# Altium PCB Shuttler_AMC.PcbDoc (part 12 of 12)
Units mm, origin at the board's own origin, x right, y up, seen from the top; angles counter-clockwise.
Board outline 180.71 x 148.55 mm, 12 copper layers (Layer 1, Layer 2, Layer 3, Layer 4, Layer 5, Layer 6, Layer 7, Layer 8, Layer 9, Layer 10, Layer 11, Layer 12), stack 2.14 mm thick; 1184 components, 1698 nets, 9088 pads, 920 vias.
Unrouted connection lines stored in the file: 1441.
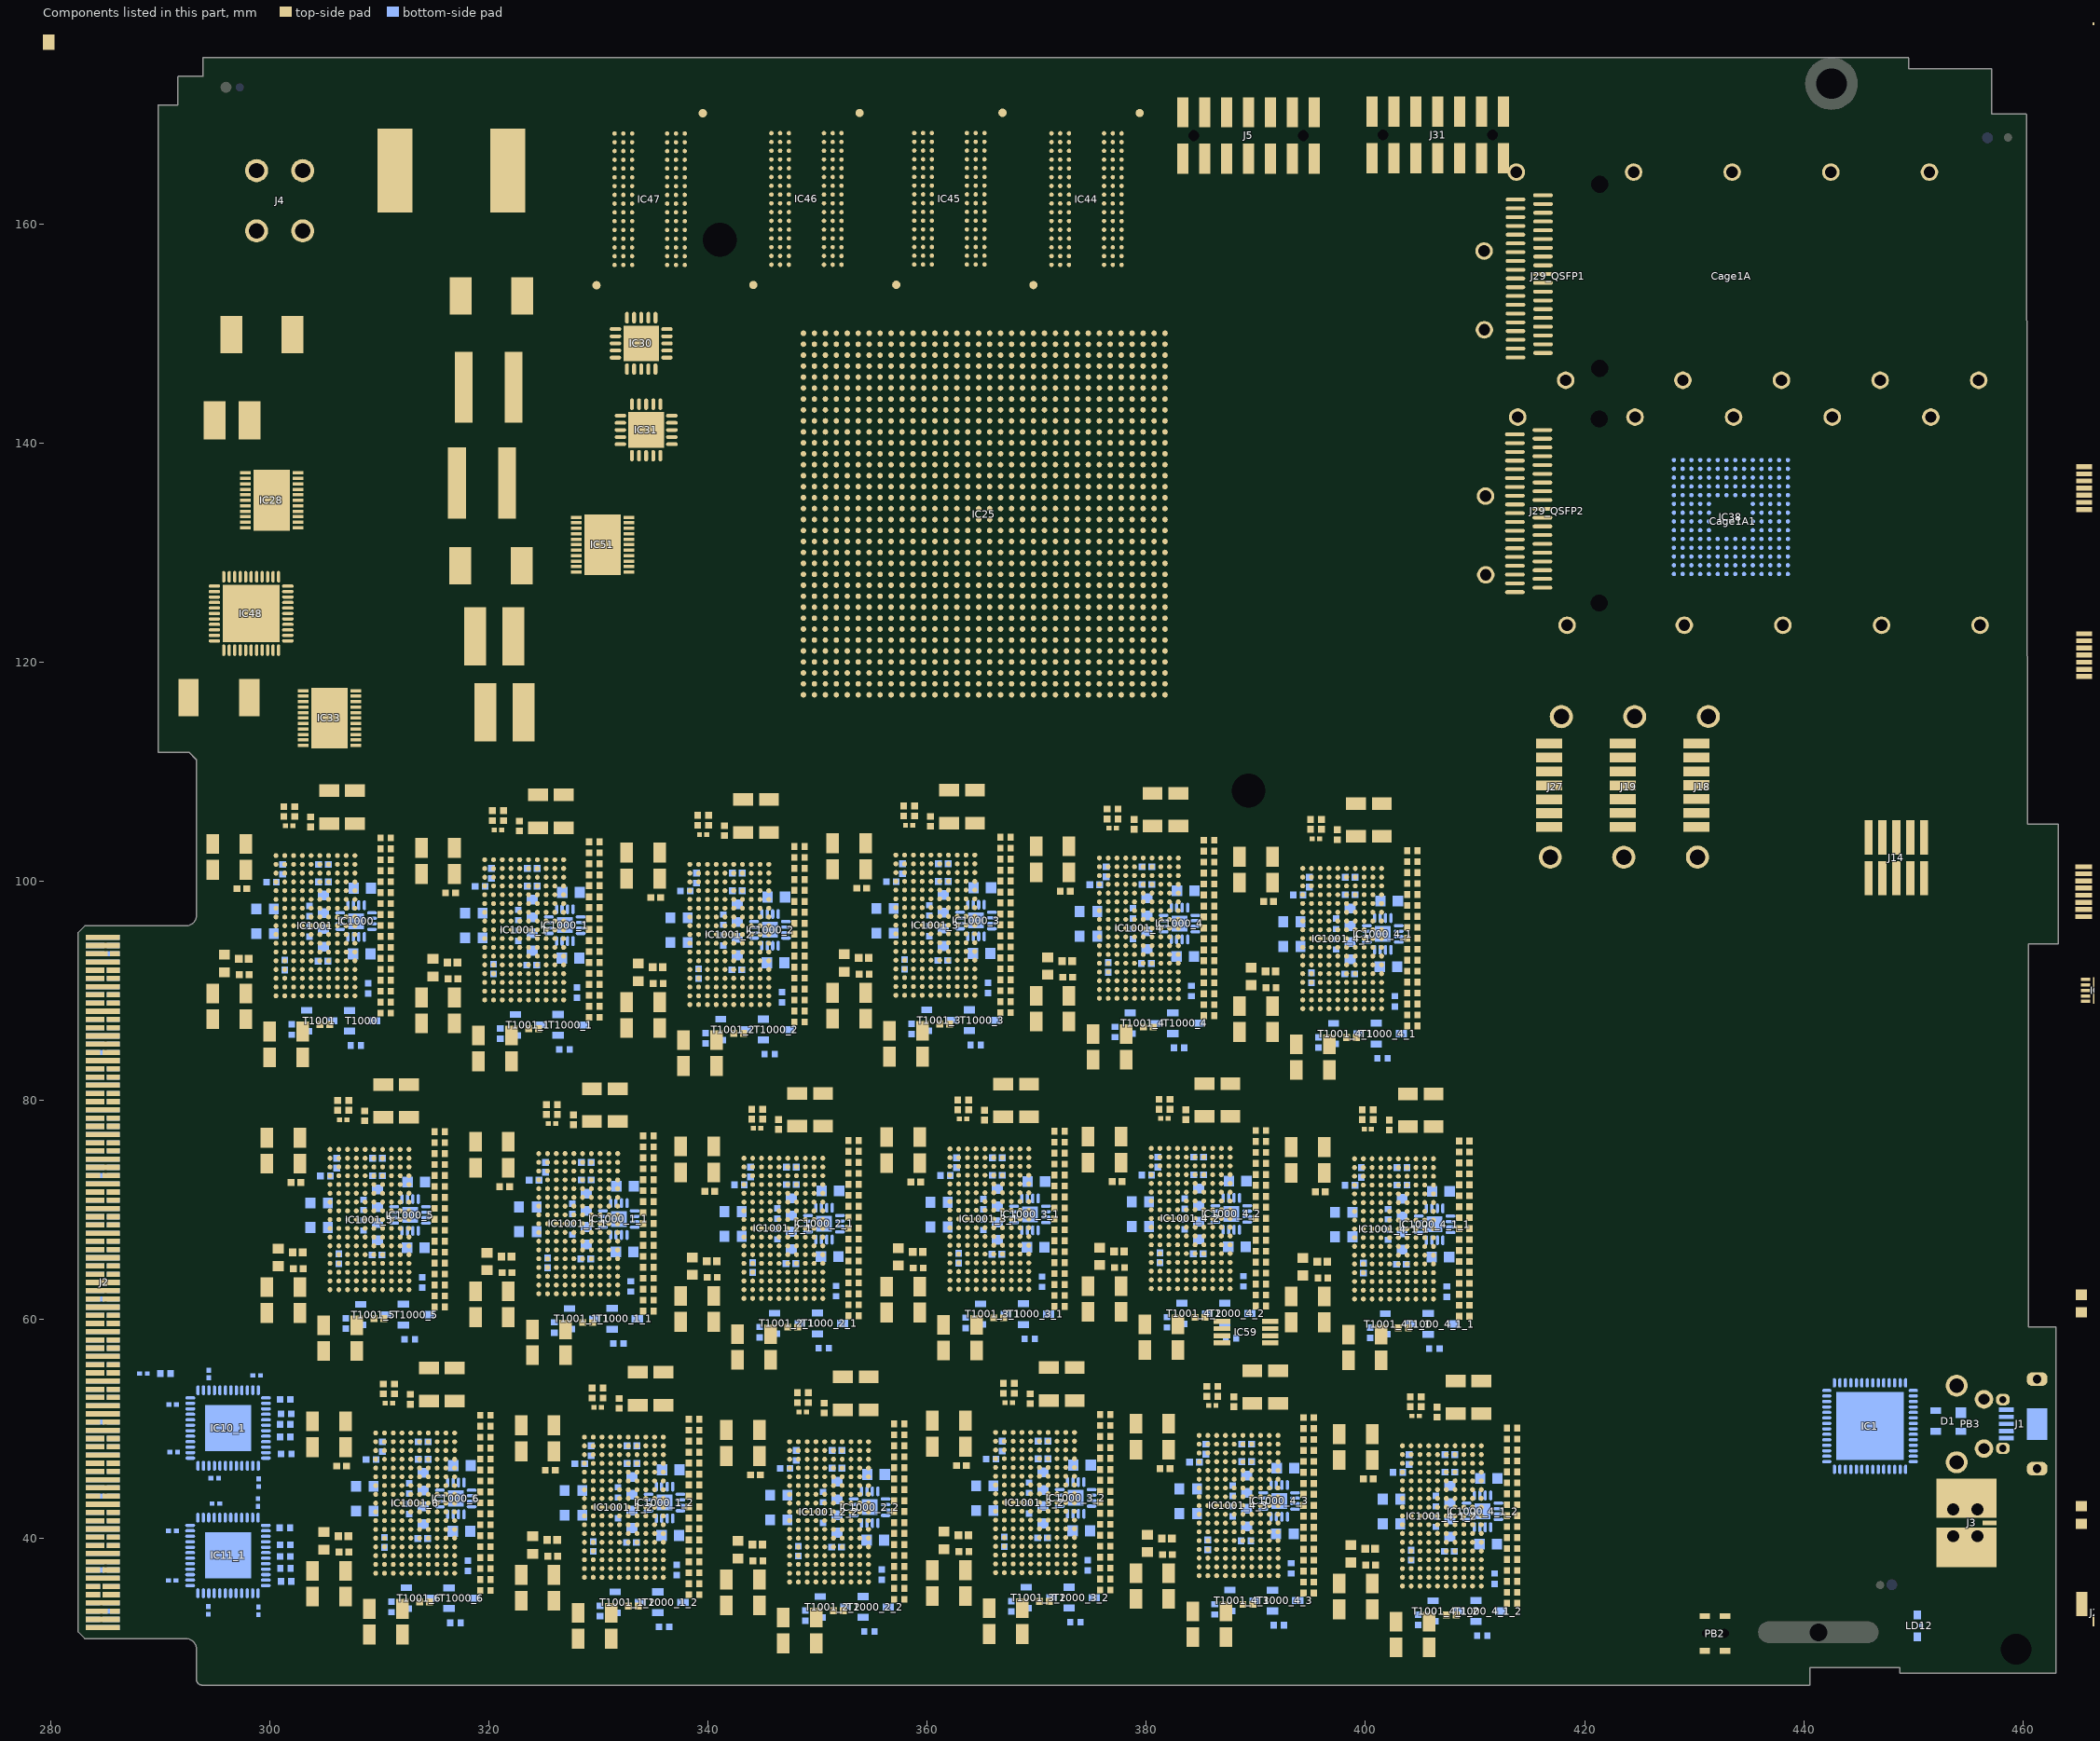
[diagram p18: the components of this part, seen from the top]

## Via types
v1: diameter 0.356, hole 0.155, Layer 1 to Layer 12, 431 vias
v2: diameter 0.3, hole 0.1, Layer 1 to Layer 12, 429 vias
v3: diameter 0.6, hole 0.3, Layer 1 to Layer 12, 38 vias
v4: diameter 0.406, hole 0.203, Layer 1 to Layer 12, 22 vias

## Nets (pads, with @x,y where several pads share a name; then routed paths per layer and width w, separated by ;. In a path a pad name is that pad's centre, name@x,y a point inside that pad or via, vN(x,y) a via of type N, cw(c..) or ccw(c..) an arc to the next point about the centre after c; other vN are vias at no path point) (continued)
copper on no net: (continued)
  Layer 12 w0.178: v2(300.113,96.35) 300.375,96.613 300.375,97.472 301.556,97.472 302.201,96.827 303.625,96.827 ; v2(300.969,96.35) 300.946,96.327 300.78,96.327 300.375,95.922 300.375,95.222 301.55,95.222 302.22,95.892 303.625,95.892 ; v2(305.044,69.528) 305.306,69.791 305.306,70.65 306.487,70.65 307.132,70.005 308.556,70.005 ; v2(305.9,69.528) 305.877,69.505 305.711,69.505 305.306,69.1 305.306,68.4 306.481,68.4 307.151,69.07 308.556,69.07 ; v2(309.213,43.65) 309.475,43.913 309.475,44.772 310.656,44.772 311.301,44.127 312.725,44.127 ; v2(310.069,43.65) 310.046,43.627 309.88,43.627 309.475,43.222 309.475,42.522 310.65,42.522 311.32,43.192 312.725,43.192 ; v2(319.163,95.975) 319.425,96.238 319.425,97.097 320.606,97.097 321.251,96.452 322.675,96.452 ; v2(320.019,95.975) 319.996,95.952 319.83,95.952 319.425,95.547 319.425,94.847 320.6,94.847 321.27,95.517 322.675,95.517 ; v2(324.094,69.153) 324.356,69.416 324.356,70.275 325.537,70.275 326.182,69.63 327.606,69.63 ; v2(324.95,69.153) 324.927,69.13 324.761,69.13 324.356,68.725 324.356,68.025 325.531,68.025 326.201,68.695 327.606,68.695 ; v2(328.263,43.275) 328.525,43.538 328.525,44.397 329.706,44.397 330.351,43.752 331.775,43.752 ; v2(329.119,43.275) 329.096,43.252 328.93,43.252 328.525,42.847 328.525,42.147 329.7,42.147 330.37,42.817 331.775,42.817 ; v2(337.888,95.55) 338.15,95.813 338.15,96.672 339.331,96.672 339.976,96.027 341.4,96.027 ; v2(338.744,95.55) 338.721,95.527 338.555,95.527 338.15,95.122 338.15,94.422 339.325,94.422 339.995,95.092 341.4,95.092 ; v2(342.819,68.728) 343.081,68.991 343.081,69.85 344.262,69.85 344.907,69.205 346.331,69.205 ; v2(343.675,68.728) 343.652,68.705 343.486,68.705 343.081,68.3 343.081,67.6 344.256,67.6 344.926,68.27 346.331,68.27 ; v2(346.988,42.85) 347.25,43.113 347.25,43.972 348.431,43.972 349.076,43.327 350.5,43.327 ; v2(347.844,42.85) 347.821,42.827 347.655,42.827 347.25,42.422 347.25,41.722 348.425,41.722 349.095,42.392 350.5,42.392 ; v2(356.688,96.4) 356.95,96.663 356.95,97.522 358.131,97.522 358.776,96.877 360.2,96.877 ; v2(357.544,96.4) 357.521,96.377 357.355,96.377 356.95,95.972 356.95,95.272 358.125,95.272 358.795,95.942 360.2,95.942 ; v2(361.619,69.578) 361.881,69.841 361.881,70.7 363.062,70.7 363.707,70.055 365.131,70.055 ; v2(362.475,69.578) 362.452,69.555 362.286,69.555 361.881,69.15 361.881,68.45 363.056,68.45 363.726,69.12 365.131,69.12 ; v2(365.788,43.7) 366.05,43.963 366.05,44.822 367.231,44.822 367.876,44.177 369.3,44.177 ; v2(366.644,43.7) 366.621,43.677 366.455,43.677 366.05,43.272 366.05,42.572 367.225,42.572 367.895,43.242 369.3,43.242 ; v2(375.263,96.125) 375.525,96.388 375.525,97.247 376.706,97.247 377.351,96.602 378.775,96.602 ; v2(376.119,96.125) 376.096,96.102 375.93,96.102 375.525,95.697 375.525,94.997 376.7,94.997 377.37,95.667 378.775,95.667 ; v2(379.994,69.625) 380.256,69.888 380.256,70.747 381.437,70.747 382.082,70.102 383.506,70.102 ; v2(380.85,69.625) 380.827,69.602 380.661,69.602 380.256,69.197 380.256,68.497 381.431,68.497 382.101,69.167 383.506,69.167 ; v2(384.363,43.425) 384.625,43.688 384.625,44.547 385.806,44.547 386.451,43.902 387.875,43.902 ; v2(385.219,43.425) 385.196,43.402 385.03,43.402 384.625,42.997 384.625,42.297 385.8,42.297 386.47,42.967 387.875,42.967 ; v2(393.819,95.178) 394.081,95.441 394.081,96.3 395.262,96.3 395.907,95.655 397.331,95.655 ; v2(394.675,95.178) 394.652,95.155 394.486,95.155 394.081,94.75 394.081,94.05 395.256,94.05 395.926,94.72 397.331,94.72 ; v2(398.549,68.678) 398.812,68.941 398.812,69.8 399.993,69.8 400.638,69.155 402.062,69.155 ; v2(399.406,68.678) 399.383,68.655 399.217,68.655 398.812,68.25 398.812,67.55 399.987,67.55 400.657,68.22 402.062,68.22 ; v2(402.919,42.478) 403.181,42.741 403.181,43.6 404.362,43.6 405.007,42.955 406.431,42.955 ; v2(403.775,42.478) 403.752,42.455 403.586,42.455 403.181,42.05 403.181,41.35 404.356,41.35 405.026,42.02 406.431,42.02
  Layer 12 w0.254: 284.814,31.345 287.2,31.345 ; 290.14,52.237 290.789,52.237 ; 290.166,40.7 290.191,40.725 290.767,40.725 ; 290.274,48.076 290.274,48.036 290.396,47.914 290.875,47.914 ; 290.744,36.192 290.744,36.921 ; 292.734,38.22 292.734,38.72 294.211,38.72 294.461,38.47 v3@294.48,38.47 ; 292.75,49.854 292.75,50.354 294.227,50.354 294.477,50.104 v3@294.48,50.104 ; 294.051,55.785 294.431,55.406 294.431,55.381 ; 294.393,33.098 295.115,33.098 295.242,33.225 v3(295.796,33.225) 295.796,33.979 295.934,34.117 295.934,35.02 295.934,36.497 v3@296.184,36.747 ; 294.431,54.681 294.45,54.681 ; v3(294.48,36.885) v3(294.48,38.385) v3@294.48,38.47 ; v3(294.48,40.24) 295.034,40.24 295.088,40.185 295.934,40.185 ; v3(294.48,48.385) v3(294.48,50.085) v3@294.48,50.104 ; v3(294.48,51.785) v3@294.48,50.104 ; 294.885,55.917 294.885,54.681 294.45,54.681 ; 294.95,53.554 294.45,53.554 294.45,54.681 ; v3(295.28,39.185) 295.28,38.47 ; v3(295.28,49.285) 295.28,50.104 ; v3(295.332,44.905) 295.332,45.526 295.357,45.526 295.737,45.905 295.906,45.905 295.95,45.95 295.95,46.654 295.95,48.131 296.2,48.381 v3@296.2,48.385 ; v3(295.38,37.585) 296.184,37.585 ; v3(295.38,50.985) 296.18,50.985 ; 295.423,43.202 295.448,43.202 295.934,42.716 295.934,41.92 295.934,40.185 ; v3(295.95,52.727) 295.95,53.554 ; v3(296.18,51.885) 296.18,50.985 ; v3(296.28,36.685) 296.245,36.685 v3@296.184,36.747 ; v3(296.28,40.185) 295.934,40.185 ; v3(296.28,48.385) v3@296.2,48.385 ; v3(296.98,50.885) 296.588,51.277 296.296,50.985 296.18,50.985 ; v3(297.08,49.185) 297.386,49.492 ; v3(297.18,37.585) 296.295,38.47 v3(296.184,38.47) ; v3(297.88,38.385) v3(297.08,39.185) v3@296.989,39.276 ; v3(297.98,48.385) 297.98,48.898 ; v3(297.98,51.885) 297.637,51.543 297.637,51.541 ; 298.434,41.92 298.434,41.53 ; 298.45,46.654 298.45,44.852 298.534,44.767 298.988,44.767 298.988,44.288 299.027,44.25 299.502,44.25 ; 298.452,54.909 298.452,54.357 298.45,54.355 298.45,53.554 298.45,52.374 298.173,52.097 298.173,52.077 v3@297.924,51.827 ; 298.932,43.654 298.932,43.679 299.502,44.25 ; 298.957,33.057 298.503,33.057 298.434,33.126 298.434,35.02 298.434,35.724 298.523,35.813 298.523,36.192 298.255,36.46 298.538,36.742 298.93,36.742 ; 299.508,44.25 299.502,44.25 ; 299.634,36.72 298.93,36.72 298.93,36.742 ; 299.634,38.22 298.93,38.22 298.93,36.742 ; 299.65,48.354 299.278,48.354 298.926,48.706 298.173,48.706 297.98,48.898 ; 299.65,49.854 298.946,49.854 298.681,50.118 v3(297.912,50.118) 296.789,50.118 296.775,50.104 ; 299.65,51.854 298.468,51.854 298.442,51.827 v3@297.924,51.827 ; v1(301.05,83.972) v1(301.05,86.322) 301.05,87.397 303.769,90.116 v1(303.769,91.15) ; 301.734,40.301 300.668,40.301 300.609,40.242 300.46,40.242 300.438,40.22 299.634,40.22 298.93,40.22 298.916,40.233 298.916,41.047 298.434,41.53 ; 301.869,50.444 303.362,50.444 ; 301.883,38.387 302.678,38.387 ; 303.625,94.952 304.73,94.952 304.825,95.047 304.825,95.547 ; 303.625,97.767 304.73,97.767 304.825,97.672 304.825,97.172 304.875,97.172 305.273,96.774 305.273,96.771 305.422,96.622 306.425,96.622 ; 304.9,94.047 305.875,94.047 306.425,94.597 306.425,95.622 ; 304.9,95.647 304.95,95.647 305.273,95.97 305.273,95.973 305.422,96.122 306.425,96.122 ; 304.9,98.697 305.975,98.697 306.425,98.247 306.425,97.122 ; 305.675,87.272 306.875,87.272 307.268,86.879 307.268,86.329 307.275,86.322 307.38,86.217 307.38,85.022 ; v1(305.981,57.15) v1(305.981,59.5) 305.981,60.575 308.7,63.294 v1(308.7,64.328) ; 307.125,94.922 307.125,93.872 307.6,93.397 ; 307.125,97.822 307.125,98.847 307.277,98.999 307.302,98.999 307.625,99.322 ; 307.275,88.222 307.275,87.622 308.32,86.577 308.32,85.022 ; 307.625,94.922 307.625,93.422 ; 307.625,97.822 307.625,99.322 ; 308.125,94.922 308.125,93.897 307.973,93.745 307.948,93.745 307.625,93.422 ; 308.125,97.822 308.125,98.872 307.65,99.347 307.65,99.372 ; 308.556,68.13 309.661,68.13 309.756,68.225 309.756,68.725 ; 308.556,70.945 309.661,70.945 309.756,70.85 309.756,70.35 309.806,70.35 310.204,69.952 310.204,69.949 310.353,69.8 311.356,69.8 ; 308.625,94.922 308.625,94.197 308.475,94.047 308.475,93.572 308.307,93.404 307.632,93.404 307.6,93.372 307.6,93.397 ; 308.625,97.822 308.625,98.472 308.45,98.647 308.45,99.203 308.32,99.333 307.689,99.333 307.65,99.372 ; 308.98,89.572 308.98,88.842 309.575,88.247 309.575,87.272 ; 308.98,90.692 308.98,91.802 309.2,92.022 309.2,93.372 ; 309.831,67.225 310.806,67.225 311.356,67.775 311.356,68.8 ; 309.831,68.825 309.881,68.825 310.204,69.148 310.204,69.151 310.353,69.3 311.356,69.3 ; 309.831,71.875 310.906,71.875 311.356,71.425 311.356,70.3 ; v1(310.15,31.272) v1(310.15,33.622) 310.15,34.697 312.869,37.416 v1(312.869,38.45) ; 310.606,60.45 311.806,60.45 312.199,60.057 312.199,59.507 312.206,59.5 312.311,59.395 312.311,58.2 ; 312.056,68.1 312.056,67.05 312.531,66.575 ; 312.056,71 312.056,72.025 312.208,72.177 312.233,72.177 312.556,72.5 ; 312.206,61.4 312.206,60.8 313.251,59.755 313.251,58.2 ; 312.556,68.1 312.556,66.6 ; 312.556,71 312.556,72.5 ; 312.725,42.252 313.83,42.252 313.925,42.347 313.925,42.847 ; 312.725,45.067 313.83,45.067 313.925,44.972 313.925,44.472 313.975,44.472 314.373,44.074 314.373,44.071 314.522,43.922 315.525,43.922 ; 313.056,68.1 313.056,67.075 312.904,66.923 312.879,66.923 312.556,66.6 ; 313.056,71 313.056,72.05 312.581,72.525 312.581,72.55 ; 313.556,68.1 313.556,67.375 313.406,67.225 313.406,66.75 313.238,66.582 312.563,66.582 312.531,66.55 312.531,66.575 ; 313.556,71 313.556,71.65 313.381,71.825 313.381,72.381 313.251,72.511 312.62,72.511 312.581,72.55 ; 313.911,62.75 313.911,62.02 314.506,61.425 314.506,60.45 ; 313.911,63.87 313.911,64.98 314.131,65.2 314.131,66.55 ; 314,41.347 314.975,41.347 315.525,41.897 315.525,42.922 ; 314,42.947 314.05,42.947 314.373,43.27 314.373,43.273 314.522,43.422 315.525,43.422 ; 314,45.997 315.075,45.997 315.525,45.547 315.525,44.422 ; 314.775,34.572 315.975,34.572 316.368,34.179 316.368,33.629 316.375,33.622 316.48,33.517 316.48,32.322 ; 316.225,42.222 316.225,41.172 316.7,40.697 ; 316.225,45.122 316.225,46.147 316.377,46.299 316.402,46.299 316.725,46.622 ; 316.375,35.522 316.375,34.922 317.42,33.877 317.42,32.322 ; 316.725,42.222 316.725,40.722 ; 316.725,45.122 316.725,46.622 ; 317.225,42.222 317.225,41.197 317.073,41.045 317.048,41.045 316.725,40.722 ; 317.225,45.122 317.225,46.172 316.75,46.647 316.75,46.672 ; 317.725,42.222 317.725,41.497 317.575,41.347 317.575,40.872 317.407,40.704 316.732,40.704 316.7,40.672 316.7,40.697 ; 317.725,45.122 317.725,45.772 317.55,45.947 317.55,46.503 317.42,46.633 316.789,46.633 316.75,46.672 ; 318.08,36.872 318.08,36.142 318.675,35.547 318.675,34.572 ; 318.08,37.992 318.08,39.102 318.3,39.322 318.3,40.672 ; v1(320.1,83.597) v1(320.1,85.947) 320.1,87.022 322.819,89.741 v1(322.819,90.775) ; 322.675,94.577 323.78,94.577 323.875,94.672 323.875,95.172 ; 322.675,97.392 323.78,97.392 323.875,97.297 323.875,96.797 323.925,96.797 324.323,96.399 324.323,96.396 324.472,96.247 325.475,96.247 ; 323.95,93.672 324.925,93.672 325.475,94.222 325.475,95.247 ; 323.95,95.272 324,95.272 324.323,95.595 324.323,95.598 324.472,95.747 325.475,95.747 ; 323.95,98.322 325.025,98.322 325.475,97.872 325.475,96.747 ; 324.725,86.897 325.925,86.897 326.318,86.504 326.318,85.954 326.325,85.947 326.43,85.842 326.43,84.647 ; v1(325.031,56.775) v1(325.031,59.125) 325.031,60.2 327.75,62.919 v1(327.75,63.953) ; 326.175,94.547 326.175,93.497 326.65,93.022 ; 326.175,97.447 326.175,98.472 326.327,98.624 326.352,98.624 326.675,98.947 ; 326.325,87.847 326.325,87.247 327.37,86.202 327.37,84.647 ; 326.675,94.547 326.675,93.047 ; 326.675,97.447 326.675,98.947 ; 327.175,94.547 327.175,93.522 327.023,93.37 326.998,93.37 326.675,93.047 ; 327.175,97.447 327.175,98.497 326.7,98.972 326.7,98.997 ; 327.606,67.755 328.711,67.755 328.806,67.85 328.806,68.35 ; 327.606,70.57 328.711,70.57 328.806,70.475 328.806,69.975 328.856,69.975 329.254,69.577 329.254,69.574 329.403,69.425 330.406,69.425 ; 327.675,94.547 327.675,93.822 327.525,93.672 327.525,93.197 327.357,93.029 326.682,93.029 326.65,92.997 326.65,93.022 ; 327.675,97.447 327.675,98.097 327.5,98.272 327.5,98.828 327.37,98.958 326.739,98.958 326.7,98.997 ; 328.03,89.197 328.03,88.467 328.625,87.872 328.625,86.897 ; 328.03,90.317 328.03,91.427 328.25,91.647 328.25,92.997 ; 328.881,66.85 329.856,66.85 330.406,67.4 330.406,68.425 ; 328.881,68.45 328.931,68.45 329.254,68.773 329.254,68.776 329.403,68.925 330.406,68.925 ; 328.881,71.5 329.956,71.5 330.406,71.05 330.406,69.925 ; v1(329.2,30.897) v1(329.2,33.247) 329.2,34.322 331.919,37.041 v1(331.919,38.075) ; 329.656,60.075 330.856,60.075 331.249,59.682 331.249,59.132 331.256,59.125 331.361,59.02 331.361,57.825 ; 331.106,67.725 331.106,66.675 331.581,66.2 ; 331.106,70.625 331.106,71.65 331.258,71.802 331.283,71.802 331.606,72.125 ; 331.256,61.025 331.256,60.425 332.301,59.38 332.301,57.825 ; 331.606,67.725 331.606,66.225 ; 331.606,70.625 331.606,72.125 ; 331.775,41.877 332.88,41.877 332.975,41.972 332.975,42.472 ; 331.775,44.692 332.88,44.692 332.975,44.597 332.975,44.097 333.025,44.097 333.423,43.699 333.423,43.696 333.572,43.547 334.575,43.547 ; 332.106,67.725 332.106,66.7 331.954,66.548 331.929,66.548 331.606,66.225 ; 332.106,70.625 332.106,71.675 331.631,72.15 331.631,72.175 ; 332.606,67.725 332.606,67 332.456,66.85 332.456,66.375 332.288,66.207 331.613,66.207 331.581,66.175 331.581,66.2 ; 332.606,70.625 332.606,71.275 332.431,71.45 332.431,72.006 332.301,72.136 331.67,72.136 331.631,72.175 ; 332.961,62.375 332.961,61.645 333.556,61.05 333.556,60.075 ; 332.961,63.495 332.961,64.605 333.181,64.825 333.181,66.175 ; 333.05,40.972 334.025,40.972 334.575,41.522 334.575,42.547 ; 333.05,42.572 333.1,42.572 333.423,42.895 333.423,42.898 333.572,43.047 334.575,43.047 ; 333.05,45.622 334.125,45.622 334.575,45.172 334.575,44.047 ; 333.825,34.197 335.025,34.197 335.418,33.804 335.418,33.254 335.425,33.247 335.53,33.142 335.53,31.947 ; 335.275,41.847 335.275,40.797 335.75,40.322 ; 335.275,44.747 335.275,45.772 335.427,45.924 335.452,45.924 335.775,46.247 ; 335.425,35.147 335.425,34.547 336.47,33.502 336.47,31.947 ; 335.775,41.847 335.775,40.347 ; 335.775,44.747 335.775,46.247 ; 336.275,41.847 336.275,40.822 336.123,40.67 336.098,40.67 335.775,40.347 ; 336.275,44.747 336.275,45.797 335.8,46.272 335.8,46.297 ; 336.775,41.847 336.775,41.122 336.625,40.972 336.625,40.497 336.457,40.329 335.782,40.329 335.75,40.297 335.75,40.322 ; 336.775,44.747 336.775,45.397 336.6,45.572 336.6,46.128 336.47,46.258 335.839,46.258 335.8,46.297 ; 337.13,36.497 337.13,35.767 337.725,35.172 337.725,34.197 ; 337.13,37.617 337.13,38.727 337.35,38.947 337.35,40.297 ; v1(338.825,83.172) v1(338.825,85.522) 338.825,86.597 341.544,89.316 v1(341.544,90.35) ; 341.4,94.152 342.505,94.152 342.6,94.247 342.6,94.747 ; 341.4,96.967 342.505,96.967 342.6,96.872 342.6,96.372 342.65,96.372 343.048,95.974 343.048,95.971 343.197,95.822 344.2,95.822 ; 342.675,93.247 343.65,93.247 344.2,93.797 344.2,94.822 ; 342.675,94.847 342.725,94.847 343.048,95.17 343.048,95.173 343.197,95.322 344.2,95.322 ; 342.675,97.897 343.75,97.897 344.2,97.447 344.2,96.322 ; 343.45,86.472 344.65,86.472 345.043,86.079 345.043,85.529 345.05,85.522 345.155,85.417 345.155,84.222 ; v1(343.756,56.35) v1(343.756,58.7) 343.756,59.775 346.475,62.494 v1(346.475,63.528) ; 344.9,94.122 344.9,93.072 345.375,92.597 ; 344.9,97.022 344.9,98.047 345.052,98.199 345.077,98.199 345.4,98.522 ; 345.05,87.422 345.05,86.822 346.095,85.777 346.095,84.222 ; 345.4,94.122 345.4,92.622 ; 345.4,97.022 345.4,98.522 ; 345.9,94.122 345.9,93.097 345.748,92.945 345.723,92.945 345.4,92.622 ; 345.9,97.022 345.9,98.072 345.425,98.547 345.425,98.572 ; 346.331,67.33 347.436,67.33 347.531,67.425 347.531,67.925 ; 346.331,70.145 347.436,70.145 347.531,70.05 347.531,69.55 347.581,69.55 347.979,69.152 347.979,69.149 348.128,69 349.131,69 ; 346.4,94.122 346.4,93.397 346.25,93.247 346.25,92.772 346.082,92.604 345.407,92.604 345.375,92.572 345.375,92.597 ; 346.4,97.022 346.4,97.672 346.225,97.847 346.225,98.403 346.095,98.533 345.464,98.533 345.425,98.572 ; 346.755,88.772 346.755,88.042 347.35,87.447 347.35,86.472 ; 346.755,89.892 346.755,91.002 346.975,91.222 346.975,92.572 ; 347.606,66.425 348.581,66.425 349.131,66.975 349.131,68 ; 347.606,68.025 347.656,68.025 347.979,68.348 347.979,68.351 348.128,68.5 349.131,68.5 ; 347.606,71.075 348.681,71.075 349.131,70.625 349.131,69.5 ; 347.925,30.472 v1(347.925,32.822) 347.925,33.897 350.644,36.616 v1(350.644,37.65) ; 348.381,59.65 349.581,59.65 349.974,59.257 349.974,58.707 349.981,58.7 350.086,58.595 350.086,57.4 ; 349.831,67.3 349.831,66.25 350.306,65.775 ; 349.831,70.2 349.831,71.225 349.983,71.377 350.008,71.377 350.331,71.7 ; 349.981,60.6 349.981,60 351.026,58.955 351.026,57.4 ; 350.331,67.3 350.331,65.8 ; 350.331,70.2 350.331,71.7 ; 350.5,41.452 351.605,41.452 351.7,41.547 351.7,42.047 ; 350.5,44.267 351.605,44.267 351.7,44.172 351.7,43.672 351.75,43.672 352.148,43.274 352.148,43.271 352.297,43.122 353.3,43.122 ; 350.831,67.3 350.831,66.275 350.679,66.123 350.654,66.123 350.331,65.8 ; 350.831,70.2 350.831,71.25 350.356,71.725 350.356,71.75 ; 351.331,67.3 351.331,66.575 351.181,66.425 351.181,65.95 351.013,65.782 350.338,65.782 350.306,65.75 350.306,65.775 ; 351.331,70.2 351.331,70.85 351.156,71.025 351.156,71.581 351.026,71.711 350.395,71.711 350.356,71.75 ; 351.686,61.95 351.686,61.22 352.281,60.625 352.281,59.65 ; 351.686,63.07 351.686,64.18 351.906,64.4 351.906,65.75 ; 351.775,40.547 352.75,40.547 353.3,41.097 353.3,42.122 ; 351.775,42.147 351.825,42.147 352.148,42.47 352.148,42.473 352.297,42.622 353.3,42.622 ; 351.775,45.197 352.85,45.197 353.3,44.747 353.3,43.622 ; 352.55,33.772 353.75,33.772 354.143,33.379 354.143,32.829 354.15,32.822 354.255,32.717 354.255,31.522 ; 354,41.422 354,40.372 354.475,39.897 ; 354,44.322 354,45.347 354.152,45.499 354.177,45.499 354.5,45.822 ; 354.15,34.722 354.15,34.122 355.195,33.077 355.195,31.522 ; 354.5,41.422 354.5,39.922 ; 354.5,44.322 354.5,45.822 ; 355,41.422 355,40.397 354.848,40.245 354.823,40.245 354.5,39.922 ; 355,44.322 355,45.372 354.525,45.847 354.525,45.872 ; 355.5,41.422 355.5,40.697 355.35,40.547 355.35,40.072 355.182,39.904 354.507,39.904 354.475,39.872 354.475,39.897 ; 355.5,44.322 355.5,44.972 355.325,45.147 355.325,45.703 355.195,45.833 354.564,45.833 354.525,45.872 ; 355.855,36.072 355.855,35.342 356.45,34.747 356.45,33.772 ; 355.855,37.192 355.855,38.302 356.075,38.522 356.075,39.872 ; v1(357.625,84.022) v1(357.625,86.372) 357.625,87.447 360.344,90.166 v1(360.344,91.2) ; 360.2,95.002 361.305,95.002 361.4,95.097 361.4,95.597 ; 360.2,97.817 361.305,97.817 361.4,97.722 361.4,97.222 361.45,97.222 361.848,96.824 361.848,96.821 361.997,96.672 363,96.672 ; 361.475,94.097 362.45,94.097 363,94.647 363,95.672 ; 361.475,95.697 361.525,95.697 361.848,96.02 361.848,96.023 361.997,96.172 363,96.172 ; 361.475,98.747 362.55,98.747 363,98.297 363,97.172 ; 362.25,87.322 363.45,87.322 363.843,86.929 363.843,86.379 363.85,86.372 363.955,86.267 363.955,85.072 ; v1(362.556,57.2) v1(362.556,59.55) 362.556,60.625 365.275,63.344 v1(365.275,64.378) ; 363.7,94.972 363.7,93.922 364.175,93.447 ; 363.7,97.872 363.7,98.897 363.852,99.049 363.877,99.049 364.2,99.372 ; 363.85,88.272 363.85,87.672 364.895,86.627 364.895,85.072 ; 364.2,94.972 364.2,93.472 ; 364.2,97.872 364.2,99.372 ; 364.7,94.972 364.7,93.947 364.548,93.795 364.523,93.795 364.2,93.472 ; 364.7,97.872 364.7,98.922 364.225,99.397 364.225,99.422 ; 365.131,68.18 366.236,68.18 366.331,68.275 366.331,68.775 ; 365.131,70.995 366.236,70.995 366.331,70.9 366.331,70.4 366.381,70.4 366.779,70.002 366.779,69.999 366.928,69.85 367.931,69.85 ; 365.2,94.972 365.2,94.247 365.05,94.097 365.05,93.622 364.882,93.454 364.207,93.454 364.175,93.422 364.175,93.447 ; 365.2,97.872 365.2,98.522 365.025,98.697 365.025,99.253 364.895,99.383 364.264,99.383 364.225,99.422 ; 365.555,89.622 365.555,88.892 366.15,88.297 366.15,87.322 ; 365.555,90.742 365.555,91.852 365.775,92.072 365.775,93.422 ; 366.406,67.275 367.381,67.275 367.931,67.825 367.931,68.85 ; 366.406,68.875 366.456,68.875 366.779,69.198 366.779,69.201 366.928,69.35 367.931,69.35 ; 366.406,71.925 367.481,71.925 367.931,71.475 367.931,70.35 ; v1(366.725,31.322) v1(366.725,33.672) 366.725,34.747 369.444,37.466 v1(369.444,38.5) ; 367.181,60.5 368.381,60.5 368.774,60.107 368.774,59.557 368.781,59.55 368.886,59.445 368.886,58.25 ; 368.631,68.15 368.631,67.1 369.106,66.625 ; 368.631,71.05 368.631,72.075 368.783,72.227 368.808,72.227 369.131,72.55 ; 368.781,61.45 368.781,60.85 369.826,59.805 369.826,58.25 ; 369.131,68.15 369.131,66.65 ; 369.131,71.05 369.131,72.55 ; 369.3,42.302 370.405,42.302 370.5,42.397 370.5,42.897 ; 369.3,45.117 370.405,45.117 370.5,45.022 370.5,44.522 370.55,44.522 370.948,44.124 370.948,44.121 371.097,43.972 372.1,43.972 ; 369.631,68.15 369.631,67.125 369.479,66.973 369.454,66.973 369.131,66.65 ; 369.631,71.05 369.631,72.1 369.156,72.575 369.156,72.6 ; 370.131,68.15 370.131,67.425 369.981,67.275 369.981,66.8 369.813,66.632 369.138,66.632 369.106,66.6 369.106,66.625 ; 370.131,71.05 370.131,71.7 369.956,71.875 369.956,72.431 369.826,72.561 369.195,72.561 369.156,72.6 ; 370.486,62.8 370.486,62.07 371.081,61.475 371.081,60.5 ; 370.486,63.92 370.486,65.03 370.706,65.25 370.706,66.6 ; 370.575,41.397 371.55,41.397 372.1,41.947 372.1,42.972 ; 370.575,42.997 370.625,42.997 370.948,43.32 370.948,43.323 371.097,43.472 372.1,43.472 ; 370.575,46.047 371.65,46.047 372.1,45.597 372.1,44.472 ; 371.35,34.622 372.55,34.622 372.943,34.229 372.943,33.679 372.95,33.672 373.055,33.567 373.055,32.372 ; 372.8,42.272 372.8,41.222 373.275,40.747 ; 372.8,45.172 372.8,46.197 372.952,46.349 372.977,46.349 373.3,46.672 ; 372.95,35.572 372.95,34.972 373.995,33.927 373.995,32.372 ; 373.3,42.272 373.3,40.772 ; 373.3,45.172 373.3,46.672 ; 373.8,42.272 373.8,41.247 373.648,41.095 373.623,41.095 373.3,40.772 ; 373.8,45.172 373.8,46.222 373.325,46.697 373.325,46.722 ; 374.3,42.272 374.3,41.547 374.15,41.397 374.15,40.922 373.982,40.754 373.307,40.754 373.275,40.722 373.275,40.747 ; 374.3,45.172 374.3,45.822 374.125,45.997 374.125,46.553 373.995,46.683 373.364,46.683 373.325,46.722 ; 374.655,36.922 374.655,36.192 375.25,35.597 375.25,34.622 ; 374.655,38.042 374.655,39.152 374.875,39.372 374.875,40.722 ; v1(376.2,83.747) v1(376.2,86.097) 376.2,87.172 378.919,89.891 v1(378.919,90.925) ; 378.775,94.727 379.88,94.727 379.975,94.822 379.975,95.322 ; 378.775,97.542 379.88,97.542 379.975,97.447 379.975,96.947 380.025,96.947 380.423,96.549 380.423,96.546 380.572,96.397 381.575,96.397 ; 380.05,93.822 381.025,93.822 381.575,94.372 381.575,95.397 ; 380.05,95.422 380.1,95.422 380.423,95.745 380.423,95.748 380.572,95.897 381.575,95.897 ; 380.05,98.472 381.125,98.472 381.575,98.022 381.575,96.897 ; 380.825,87.047 382.025,87.047 382.418,86.654 382.418,86.104 382.425,86.097 382.53,85.992 382.53,84.797 ; v1(380.931,57.247) v1(380.931,59.597) 380.931,60.672 383.65,63.391 v1(383.65,64.425) ; 382.275,94.697 382.275,93.647 382.75,93.172 ; 382.275,97.597 382.275,98.622 382.427,98.774 382.452,98.774 382.775,99.097 ; 382.425,87.997 382.425,87.397 383.47,86.352 383.47,84.797 ; 382.775,94.697 382.775,93.197 ; 382.775,97.597 382.775,99.097 ; 383.275,94.697 383.275,93.672 383.123,93.52 383.098,93.52 382.775,93.197 ; 383.275,97.597 383.275,98.647 382.8,99.122 382.8,99.147 ; 383.506,68.227 384.611,68.227 384.706,68.322 384.706,68.822 ; 383.506,71.042 384.611,71.042 384.706,70.947 384.706,70.447 384.756,70.447 385.154,70.049 385.154,70.046 385.303,69.897 386.306,69.897 ; 383.775,94.697 383.775,93.972 383.625,93.822 383.625,93.347 383.457,93.179 382.782,93.179 382.75,93.147 382.75,93.172 ; 383.775,97.597 383.775,98.247 383.6,98.422 383.6,98.978 383.47,99.108 382.839,99.108 382.8,99.147 ; 384.13,89.347 384.13,88.617 384.725,88.022 384.725,87.047 ; 384.13,90.467 384.13,91.577 384.35,91.797 384.35,93.147 ; 384.781,67.322 385.756,67.322 386.306,67.872 386.306,68.897 ; 384.781,68.922 384.831,68.922 385.154,69.245 385.154,69.248 385.303,69.397 386.306,69.397 ; 384.781,71.972 385.856,71.972 386.306,71.522 386.306,70.397 ; v1(385.3,31.047) v1(385.3,33.397) 385.3,34.472 388.019,37.191 v1(388.019,38.225) ; 385.556,60.547 386.756,60.547 387.149,60.154 387.149,59.604 387.156,59.597 387.261,59.492 387.261,58.297 ; 387.006,68.197 387.006,67.147 387.481,66.672 ; 387.006,71.097 387.006,72.122 387.158,72.274 387.183,72.274 387.506,72.597 ; 387.156,61.497 387.156,60.897 388.201,59.852 388.201,58.297 ; 387.506,68.197 387.506,66.697 ; 387.506,71.097 387.506,72.597 ; 387.875,42.027 388.98,42.027 389.075,42.122 389.075,42.622 ; 387.875,44.842 388.98,44.842 389.075,44.747 389.075,44.247 389.125,44.247 389.523,43.849 389.523,43.846 389.672,43.697 390.675,43.697 ; 388.006,68.197 388.006,67.172 387.854,67.02 387.829,67.02 387.506,66.697 ; 388.006,71.097 388.006,72.147 387.531,72.622 387.531,72.647 ; 388.506,68.197 388.506,67.472 388.356,67.322 388.356,66.847 388.188,66.679 387.513,66.679 387.481,66.647 387.481,66.672 ; 388.506,71.097 388.506,71.747 388.331,71.922 388.331,72.478 388.201,72.608 387.57,72.608 387.531,72.647 ; 388.861,62.847 388.861,62.117 389.456,61.522 389.456,60.547 ; 388.861,63.967 388.861,65.077 389.081,65.297 389.081,66.647 ; 389.15,41.122 390.125,41.122 390.675,41.672 390.675,42.697 ; 389.15,42.722 389.2,42.722 389.523,43.045 389.523,43.048 389.672,43.197 390.675,43.197 ; 389.15,45.772 390.225,45.772 390.675,45.322 390.675,44.197 ; 389.925,34.347 391.125,34.347 391.518,33.954 391.518,33.404 391.525,33.397 391.63,33.292 391.63,32.097 ; 391.375,41.997 391.375,40.947 391.85,40.472 ; 391.375,44.897 391.375,45.922 391.527,46.074 391.552,46.074 391.875,46.397 ; 391.525,35.297 391.525,34.697 392.57,33.652 392.57,32.097 ; 391.875,41.997 391.875,40.497 ; 391.875,44.897 391.875,46.397 ; 392.375,41.997 392.375,40.972 392.223,40.82 392.198,40.82 391.875,40.497 ; 392.375,44.897 392.375,45.947 391.9,46.422 391.9,46.447 ; 392.875,41.997 392.875,41.272 392.725,41.122 392.725,40.647 392.557,40.479 391.882,40.479 391.85,40.447 391.85,40.472 ; 392.875,44.897 392.875,45.547 392.7,45.722 392.7,46.278 392.57,46.408 391.939,46.408 391.9,46.447 ; 393.23,36.647 393.23,35.917 393.825,35.322 393.825,34.347 ; 393.23,37.767 393.23,38.877 393.45,39.097 393.45,40.447 ; v1(394.756,82.8) v1(394.756,85.15) 394.756,86.225 397.475,88.944 v1(397.475,89.978) ; 397.331,93.78 398.436,93.78 398.531,93.875 398.531,94.375 ; 397.331,96.595 398.436,96.595 398.531,96.5 398.531,96 398.581,96 398.979,95.602 398.979,95.599 399.128,95.45 400.131,95.45 ; 398.606,92.875 399.581,92.875 400.131,93.425 400.131,94.45 ; 398.606,94.475 398.656,94.475 398.979,94.798 398.979,94.801 399.128,94.95 400.131,94.95 ; 398.606,97.525 399.681,97.525 400.131,97.075 400.131,95.95 ; 399.381,86.1 400.581,86.1 400.974,85.707 400.974,85.157 400.981,85.15 401.086,85.045 401.086,83.85 ; v1(399.487,56.3) v1(399.487,58.65) 399.487,59.725 402.206,62.444 v1(402.206,63.478) ; 400.831,93.75 400.831,92.7 401.306,92.225 ; 400.831,96.65 400.831,97.675 400.983,97.827 401.008,97.827 401.331,98.15 ; 400.981,87.05 400.981,86.45 402.026,85.405 402.026,83.85 ; 401.331,93.75 401.331,92.25 ; 401.331,96.65 401.331,98.15 ; 401.831,93.75 401.831,92.725 401.679,92.573 401.654,92.573 401.331,92.25 ; 401.831,96.65 401.831,97.7 401.356,98.175 401.356,98.2 ; 402.062,67.28 403.167,67.28 403.262,67.375 403.262,67.875 ; 402.062,70.095 403.167,70.095 403.262,70 403.262,69.5 403.312,69.5 403.71,69.102 403.71,69.099 403.859,68.95 404.862,68.95 ; 402.331,93.75 402.331,93.025 402.181,92.875 402.181,92.4 402.013,92.232 401.338,92.232 401.306,92.2 401.306,92.225 ; 402.331,96.65 402.331,97.3 402.156,97.475 402.156,98.031 402.026,98.161 401.395,98.161 401.356,98.2 ; 402.686,88.4 402.686,87.67 403.281,87.075 403.281,86.1 ; 402.686,89.52 402.686,90.63 402.906,90.85 402.906,92.2 ; 403.337,66.375 404.312,66.375 404.862,66.925 404.862,67.95 ; 403.337,67.975 403.387,67.975 403.71,68.298 403.71,68.301 403.859,68.45 404.862,68.45 ; 403.337,71.025 404.412,71.025 404.862,70.575 404.862,69.45 ; v1(403.856,30.1) v1(403.856,32.45) 403.856,33.525 406.575,36.244 v1(406.575,37.278) ; 404.112,59.6 405.312,59.6 405.705,59.207 405.705,58.657 405.712,58.65 405.817,58.545 405.817,57.35 ; 405.562,67.25 405.562,66.2 406.037,65.725 ; 405.562,70.15 405.562,71.175 405.714,71.327 405.739,71.327 406.062,71.65 ; 405.712,60.55 405.712,59.95 406.757,58.905 406.757,57.35 ; 406.062,67.25 406.062,65.75 ; 406.062,70.15 406.062,71.65 ; 406.431,41.08 407.536,41.08 407.631,41.175 407.631,41.675 ; 406.431,43.895 407.536,43.895 407.631,43.8 407.631,43.3 407.681,43.3 408.079,42.902 408.079,42.899 408.228,42.75 409.231,42.75 ; 406.562,67.25 406.562,66.225 406.41,66.073 406.385,66.073 406.062,65.75 ; 406.562,70.15 406.562,71.2 406.087,71.675 406.087,71.7 ; 407.062,67.25 407.062,66.525 406.912,66.375 406.912,65.9 406.744,65.732 406.069,65.732 406.037,65.7 406.037,65.725 ; 407.062,70.15 407.062,70.8 406.887,70.975 406.887,71.531 406.757,71.661 406.126,71.661 406.087,71.7 ; 407.417,61.9 407.417,61.17 408.012,60.575 408.012,59.6 ; 407.417,63.02 407.417,64.13 407.637,64.35 407.637,65.7 ; 407.706,40.175 408.681,40.175 409.231,40.725 409.231,41.75 ; 407.706,41.775 407.756,41.775 408.079,42.098 408.079,42.101 408.228,42.25 409.231,42.25 ; 407.706,44.825 408.781,44.825 409.231,44.375 409.231,43.25 ; 408.481,33.4 409.681,33.4 410.074,33.007 410.074,32.457 410.081,32.45 410.186,32.345 410.186,31.15 ; 409.931,41.05 409.931,40 410.406,39.525 ; 409.931,43.95 409.931,44.975 410.083,45.127 410.108,45.127 410.431,45.45 ; 410.081,34.35 410.081,33.75 411.126,32.705 411.126,31.15 ; 410.431,41.05 410.431,39.55 ; 410.431,43.95 410.431,45.45 ; 410.931,41.05 410.931,40.025 410.779,39.873 410.754,39.873 410.431,39.55 ; 410.931,43.95 410.931,45 410.456,45.475 410.456,45.5 ; 411.431,41.05 411.431,40.325 411.281,40.175 411.281,39.7 411.113,39.532 410.438,39.532 410.406,39.5 410.406,39.525 ; 411.431,43.95 411.431,44.6 411.256,44.775 411.256,45.331 411.126,45.461 410.495,45.461 410.456,45.5 ; 411.786,35.7 411.786,34.97 412.381,34.375 412.381,33.4 ; 411.786,36.82 411.786,37.93 412.006,38.15 412.006,39.5 ; v3@294.48,38.47 295.28,38.47 ; v3@294.48,50.104 295.28,50.104 ; 295.28,38.47 v3(296.184,38.47) ; 295.28,50.104 v3(296.2,50.104) ; 295.934,40.185 295.934,38.72 v3(296.184,38.47) ; v3@296.184,36.747 296.184,37.585 ; 296.184,37.585 v3(296.184,38.47) ; v3(296.184,38.47) v3@296.989,39.276 ; v3@296.2,48.385 v3(296.2,50.104) ; v3(296.2,50.104) 296.981,50.885 297.637,51.541 ; v3(296.2,50.104) 296.775,50.104 ; 296.775,50.104 297.386,49.492 ; v3@296.989,39.276 296.989,39.295 v3(297.88,40.185) 297.88,40.808 298.434,41.361 298.434,41.53 ; 297.386,49.492 297.98,48.898 ; 297.637,51.541 v3@297.924,51.827 ; 307.6,93.397 307.625,93.422 ; 307.625,99.322 307.625,99.347 307.65,99.372 ; 312.531,66.575 312.556,66.6 ; 312.556,72.5 312.556,72.525 312.581,72.55 ; 316.7,40.697 316.725,40.722 ; 316.725,46.622 316.725,46.647 316.75,46.672 ; 326.65,93.022 326.675,93.047 ; 326.675,98.947 326.675,98.972 326.7,98.997 ; 331.581,66.2 331.606,66.225 ; 331.606,72.125 331.606,72.15 331.631,72.175 ; 335.75,40.322 335.775,40.347 ; 335.775,46.247 335.775,46.272 335.8,46.297 ; 345.375,92.597 345.4,92.622 ; 345.4,98.522 345.4,98.547 345.425,98.572 ; 350.306,65.775 350.331,65.8 ; 350.331,71.7 350.331,71.725 350.356,71.75 ; 354.475,39.897 354.5,39.922 ; 354.5,45.822 354.5,45.847 354.525,45.872 ; 364.175,93.447 364.2,93.472 ; 364.2,99.372 364.2,99.397 364.225,99.422 ; 369.106,66.625 369.131,66.65 ; 369.131,72.55 369.131,72.575 369.156,72.6 ; 373.275,40.747 373.3,40.772 ; 373.3,46.672 373.3,46.697 373.325,46.722 ; 382.75,93.172 382.775,93.197 ; 382.775,99.097 382.775,99.122 382.8,99.147 ; 387.481,66.672 387.506,66.697 ; 387.506,72.597 387.506,72.622 387.531,72.647 ; 391.85,40.472 391.875,40.497 ; 391.875,46.397 391.875,46.422 391.9,46.447 ; 401.306,92.225 401.331,92.25 ; 401.331,98.15 401.331,98.175 401.356,98.2 ; 406.037,65.725 406.062,65.75 ; 406.062,71.65 406.062,71.675 406.087,71.7 ; 410.406,39.525 410.431,39.55 ; 410.431,45.45 410.431,45.475 410.456,45.5
  other v1: 403.375,37.278 404.175,37.278 404.975,37.278 405.775,37.278 347.444,37.65 348.244,37.65 349.044,37.65 349.844,37.65 328.719,38.075 329.519,38.075 330.319,38.075 331.119,38.075 405.775,38.078 384.819,38.225 385.619,38.225 386.419,38.225 387.219,38.225 309.669,38.45 310.469,38.45 311.269,38.45 312.069,38.45 349.844,38.45 366.244,38.5 367.044,38.5 367.844,38.5 368.644,38.5 331.119,38.875 405.775,38.878 387.219,39.025 312.069,39.25 349.844,39.25 368.644,39.3 331.119,39.675 404.975,39.678 405.775,39.678 387.219,39.825 312.069,40.05 349.044,40.05 349.844,40.05 368.644,40.1 330.319,40.475 331.119,40.475 386.419,40.625 387.219,40.625 311.269,40.85 312.069,40.85 367.844,40.9 368.644,40.9 404.175,45.278 405.775,45.278 406.575,45.278 348.244,45.65 349.844,45.65 350.644,45.65 329.519,46.075 331.119,46.075 331.919,46.075 404.175,46.078 404.975,46.078 406.575,46.078 385.619,46.225 387.219,46.225 388.019,46.225 310.469,46.45 312.069,46.45 312.869,46.45 348.244,46.45 349.044,46.45 350.644,46.45 367.044,46.5 368.644,46.5 369.444,46.5 329.519,46.875 330.319,46.875 331.919,46.875 406.575,46.878 385.619,47.025 386.419,47.025 388.019,47.025 310.469,47.25 311.269,47.25 312.869,47.25 350.644,47.25 367.044,47.3 367.844,47.3 369.444,47.3 331.919,47.675 406.575,47.678 388.019,47.825 312.869,48.05 350.644,48.05 369.444,48.1 331.919,48.475 406.575,48.478 388.019,48.625 312.869,48.85 350.644,48.85 369.444,48.9 331.919,49.275 388.019,49.425 312.869,49.65 369.444,49.7 399.006,63.478 399.806,63.478 400.606,63.478 401.406,63.478 343.275,63.528 344.075,63.528 344.875,63.528 345.675,63.528 324.55,63.953 325.35,63.953 326.15,63.953 326.95,63.953 401.406,64.278 305.5,64.328 306.3,64.328 307.1,64.328 307.9,64.328 345.675,64.328 362.075,64.378 362.875,64.378 363.675,64.378 364.475,64.378 380.45,64.425 381.25,64.425 382.05,64.425 382.85,64.425 326.95,64.753 401.406,65.078 307.9,65.128 345.675,65.128 364.475,65.178 382.85,65.225 326.95,65.553 400.606,65.878 401.406,65.878 307.9,65.928 344.875,65.928 345.675,65.928 364.475,65.978 382.85,66.025 326.15,66.353 326.95,66.353 307.1,66.728 307.9,66.728 363.675,66.778 364.475,66.778 382.05,66.825 382.85,66.825 399.806,71.478 401.406,71.478 402.206,71.478 344.075,71.528 345.675,71.528 346.475,71.528 325.35,71.953 326.95,71.953 327.75,71.953 399.806,72.278 400.606,72.278 402.206,72.278 306.3,72.328 307.9,72.328 308.7,72.328 344.075,72.328 344.875,72.328 346.475,72.328 362.875,72.378 364.475,72.378 365.275,72.378 381.25,72.425 382.85,72.425 383.65,72.425 325.35,72.753 326.15,72.753 327.75,72.753 402.206,73.078 306.3,73.128 307.1,73.128 308.7,73.128 346.475,73.128 362.875,73.178 363.675,73.178 365.275,73.178 381.25,73.225 382.05,73.225 383.65,73.225 327.75,73.553 402.206,73.878 308.7,73.928 346.475,73.928 365.275,73.978 383.65,74.025 327.75,74.353 402.206,74.678 308.7,74.728 346.475,74.728 365.275,74.778 383.65,74.825 327.75,75.153 308.7,75.528 365.275,75.578 383.65,75.625 394.275,89.978 395.075,89.978 395.875,89.978 396.675,89.978 338.344,90.35 339.144,90.35 339.944,90.35 340.744,90.35 319.619,90.775 320.419,90.775 321.219,90.775 322.019,90.775 396.675,90.778 375.719,90.925 376.519,90.925 377.319,90.925 378.119,90.925 300.569,91.15 301.369,91.15 302.169,91.15 302.969,91.15 340.744,91.15 357.144,91.2 357.944,91.2 358.744,91.2 359.544,91.2 322.019,91.575 396.675,91.578 378.119,91.725 302.969,91.95 340.744,91.95 359.544,92 322.019,92.375 395.875,92.378 396.675,92.378 378.119,92.525 302.969,92.75 339.944,92.75 340.744,92.75 359.544,92.8 321.219,93.175 322.019,93.175 377.319,93.325 378.119,93.325 302.169,93.55 302.969,93.55 358.744,93.6 359.544,93.6 395.075,97.978 396.675,97.978 397.475,97.978 339.144,98.35 340.744,98.35 341.544,98.35 320.419,98.775 322.019,98.775 322.819,98.775 395.075,98.778 395.875,98.778 397.475,98.778 376.519,98.925 378.119,98.925 378.919,98.925 301.369,99.15 302.969,99.15 303.769,99.15 339.144,99.15 339.944,99.15 341.544,99.15 357.944,99.2 359.544,99.2 360.344,99.2 320.419,99.575 321.219,99.575 322.819,99.575 397.475,99.578 376.519,99.725 377.319,99.725 378.919,99.725 301.369,99.95 302.169,99.95 303.769,99.95 341.544,99.95 357.944,100 358.744,100 360.344,100 322.819,100.375 397.475,100.378 378.919,100.525 303.769,100.75 341.544,100.75 360.344,100.8 322.819,101.175 397.475,101.178 378.919,101.325 303.769,101.55 341.544,101.55 360.344,101.6 322.819,101.975 378.919,102.125 303.769,102.35 360.344,102.4
  other v3: 297.984,36.792 292.615,53.776
  other v4: 400.891,39.775 344.96,40.147 326.235,40.572 382.335,40.722 307.185,40.947 363.76,40.997 396.522,65.975 340.791,66.025 322.066,66.45 303.016,66.825 359.591,66.875 377.966,66.922 391.791,92.475 335.86,92.847 317.135,93.272 373.235,93.422 298.085,93.647 354.66,93.697

## Polygon pours and split planes (outlines as drawn)
GND on Layer 2 (split plane): 236 vertices, not listed, extent 283.021,27.144 462.715,174.673
GND on Layer 4 (split plane): 236 vertices, not listed, extent 283.021,27.144 462.715,174.673
P3V3 on Layer 6 (split plane): 244 vertices, not listed, extent 283.021,27.144 462.715,174.673
P3V3 on Layer 6 (split plane): 460.425,104.716 462.715,104.716 462.715,103.631 460.379,103.631 460.379,104.721
P3V3 on Layer 6 (split plane): 293.371,111.76 293.258,111.872 293.371,111.872
GND on Layer 7 (split plane): 236 vertices, not listed, extent 283.021,27.144 462.715,174.673
GND on Layer 9 (split plane): 236 vertices, not listed, extent 283.021,27.144 462.715,174.673
GND on Layer 11 (split plane): 236 vertices, not listed, extent 283.021,27.144 462.715,174.673

## Other copper
Layer 1:
  region: 301,166.002 303.75,166.002 303.75,172.252 301,172.252
Layer 2 (plane layer: these items are gaps in the copper):
  region: 304.739,157.182 305.889,157.182 305.889,157.582 304.739,157.582
  region: 304.737,156.452 305.887,156.452 305.887,156.852 304.737,156.852
  region: 304.763,154.618 305.913,154.618 305.913,155.018 304.763,155.018
  region: 304.763,153.873 305.913,153.873 305.913,154.273 304.763,154.273
  region: 304.714,152.126 305.864,152.126 305.864,152.526 304.714,152.526
  region: 304.714,151.445 305.864,151.445 305.864,151.845 304.714,151.845
  region: 304.814,149.227 305.964,149.227 305.964,149.627 304.814,149.627
  region: 304.814,148.489 305.964,148.489 305.964,148.889 304.814,148.889
  region: 304.791,147.029 305.941,147.029 305.941,147.429 304.791,147.429
  region: 304.791,146.341 305.941,146.341 305.941,146.741 304.791,146.741
  region: 304.811,144.095 305.961,144.095 305.961,144.495 304.811,144.495
  region: 304.769,144.915 305.919,144.915 305.919,145.315 304.769,145.315
  region: 304.769,141.76 305.919,141.76 305.919,142.16 304.769,142.16
  region: 304.769,141.066 305.919,141.066 305.919,141.466 304.769,141.466
  region: 304.761,139.687 305.911,139.687 305.911,140.087 304.761,140.087
  region: 304.761,138.983 305.911,138.983 305.911,139.383 304.761,139.383
  region: 304.746,136.817 305.896,136.817 305.896,137.217 304.746,137.217
  region: 304.735,136.022 305.885,136.022 305.885,136.422 304.735,136.422
  region: 304.739,133.613 305.889,133.613 305.889,134.013 304.739,134.013
  region: 304.584,134.294 305.734,134.294 305.734,134.694 304.584,134.694
  region: 304.779,132.119 305.929,132.119 305.929,132.519 304.779,132.519
  region: 304.784,131.373 305.934,131.373 305.934,131.773 304.784,131.773
  region: 304.808,129.272 305.958,129.272 305.958,129.672 304.808,129.672
  region: 304.808,128.608 305.958,128.608 305.958,129.008 304.808,129.008
  region: 304.808,126.873 305.958,126.873 305.958,127.273 304.808,127.273
  region: 304.799,126.183 305.949,126.183 305.949,126.583 304.799,126.583
  region: 304.773,124.376 305.923,124.376 305.923,124.776 304.773,124.776
  region: 304.773,123.69 305.923,123.69 305.923,124.09 304.773,124.09
  region: 304.734,159.178 305.884,159.178 305.884,159.578 304.734,159.578
  region: 304.734,159.913 305.884,159.913 305.884,160.313 304.734,160.313
  region: 304.734,160.678 305.884,160.678 305.884,161.078 304.734,161.078
  region: 304.734,161.384 305.884,161.384 305.884,161.784 304.734,161.784
  lines w0.254: 292.335,30.908 cw(c292.335,29.908) 293.335,29.908 293.335,27.158 ccw(c293.835,27.158) 293.835,26.658 440.535,26.658 440.535,28.258 448.775,28.258 448.775,27.758 463,27.752 463,59.302 460.5,59.302 460.5,94.302 463.2,94.302 463.2,105.202 460.4,105.202 460.3,166.502 460.3,170.002 457.106,170.005 457.113,174.159 449.535,174.158 449.535,175.158 293.935,175.158 293.935,173.462 293.92,173.447 291.645,173.447 291.645,170.847 289.835,170.847 289.835,111.808 292.635,111.808 293.335,111.108 293.335,99.658 293.335,96.908 ; 292.335,30.908 283.135,30.908 282.535,31.508 282.535,95.308 283.135,95.908 292.335,95.908 ccw(c292.335,96.908) 293.335,96.908 ; 292.335,30.908 292.335,30.908 ; 293.335,96.908 293.335,96.908
Layer 4 (plane layer: these items are gaps in the copper):
  lines w0.254: 292.335,30.908 cw(c292.335,29.908) 293.335,29.908 293.335,27.158 ccw(c293.835,27.158) 293.835,26.658 440.535,26.658 440.535,28.258 448.775,28.258 448.775,27.758 463,27.752 463,59.302 460.5,59.302 460.5,94.302 463.2,94.302 463.2,105.202 460.4,105.202 460.3,166.502 460.3,170.002 457.106,170.005 457.113,174.159 449.535,174.158 449.535,175.158 293.935,175.158 293.935,173.462 293.92,173.447 291.645,173.447 291.645,170.847 289.835,170.847 289.835,111.808 292.635,111.808 293.335,111.108 293.335,99.658 293.335,96.908 ; 292.335,30.908 283.135,30.908 282.535,31.508 282.535,95.308 283.135,95.908 292.335,95.908 ccw(c292.335,96.908) 293.335,96.908 ; 292.335,30.908 292.335,30.908 ; 293.335,96.908 293.335,96.908
Layer 6 (plane layer: these items are gaps in the copper):
  lines w0.254: 292,172.002 292,170.502 290,170.502 290,112.002 293.5,112.002 293.5,95.752 283.25,95.752 282.75,95.252 282.75,31.752 283.25,31.002 292.75,31.002 293.5,30.252 293.5,27.002 293.75,26.752 440.5,26.752 440.5,28.252 448.75,28.252 448.75,28.002 462.75,28.002 462.75,59.002 460.25,59.002 460.25,94.502 463,94.502 463,103.502 460.25,103.502 460.25,169.752 457,169.752 457,174.002 449.5,174.002 449.5,175.002 360.75,175.002 ; 292.335,30.908 cw(c292.335,29.908) 293.335,29.908 293.335,27.158 ccw(c293.835,27.158) 293.835,26.658 440.535,26.658 440.535,28.258 448.775,28.258 448.775,27.758 463,27.752 463,59.302 460.5,59.302 460.5,94.302 463.2,94.302 463.2,105.202 460.4,105.202 460.3,166.502 460.3,170.002 457.106,170.005 457.113,174.159 449.535,174.158 449.535,175.158 293.935,175.158 293.935,173.462 293.92,173.447 291.645,173.447 291.645,170.847 289.835,170.847 289.835,111.808 292.635,111.808 293.335,111.108 293.335,99.658 293.335,96.908 ; 292.335,30.908 283.135,30.908 282.535,31.508 282.535,95.308 283.135,95.908 292.335,95.908 ccw(c292.335,96.908) 293.335,96.908 ; 292.335,30.908 292.335,30.908 ; 293.335,96.908 293.335,96.908
Layer 7 (plane layer: these items are gaps in the copper):
  lines w0.254: 292.335,30.908 cw(c292.335,29.908) 293.335,29.908 293.335,27.158 ccw(c293.835,27.158) 293.835,26.658 440.535,26.658 440.535,28.258 448.775,28.258 448.775,27.758 463,27.752 463,59.302 460.5,59.302 460.5,94.302 463.2,94.302 463.2,105.202 460.4,105.202 460.3,166.502 460.3,170.002 457.106,170.005 457.113,174.159 449.535,174.158 449.535,175.158 293.935,175.158 293.935,173.462 293.92,173.447 291.645,173.447 291.645,170.847 289.835,170.847 289.835,111.808 292.635,111.808 293.335,111.108 293.335,99.658 293.335,96.908 ; 292.335,30.908 283.135,30.908 282.535,31.508 282.535,95.308 283.135,95.908 292.335,95.908 ccw(c292.335,96.908) 293.335,96.908 ; 292.335,30.908 292.335,30.908 ; 293.335,96.908 293.335,96.908
Layer 9 (plane layer: these items are gaps in the copper):
  lines w0.254: 292.335,30.908 cw(c292.335,29.908) 293.335,29.908 293.335,27.158 ccw(c293.835,27.158) 293.835,26.658 440.535,26.658 440.535,28.258 448.775,28.258 448.775,27.758 463,27.752 463,59.302 460.5,59.302 460.5,94.302 463.2,94.302 463.2,105.202 460.4,105.202 460.3,166.502 460.3,170.002 457.106,170.005 457.113,174.159 449.535,174.158 449.535,175.158 293.935,175.158 293.935,173.462 293.92,173.447 291.645,173.447 291.645,170.847 289.835,170.847 289.835,111.808 292.635,111.808 293.335,111.108 293.335,99.658 293.335,96.908 ; 292.335,30.908 283.135,30.908 282.535,31.508 282.535,95.308 283.135,95.908 292.335,95.908 ccw(c292.335,96.908) 293.335,96.908 ; 292.335,30.908 292.335,30.908 ; 293.335,96.908 293.335,96.908
Layer 11 (plane layer: these items are gaps in the copper):
  lines w0.254: 292.335,30.908 cw(c292.335,29.908) 293.335,29.908 293.335,27.158 ccw(c293.835,27.158) 293.835,26.658 440.535,26.658 440.535,28.258 448.775,28.258 448.775,27.758 463,27.752 463,59.302 460.5,59.302 460.5,94.302 463.2,94.302 463.2,105.202 460.4,105.202 460.3,166.502 460.3,170.002 457.106,170.005 457.113,174.159 449.535,174.158 449.535,175.158 293.935,175.158 293.935,173.462 293.92,173.447 291.645,173.447 291.645,170.847 289.835,170.847 289.835,111.808 292.635,111.808 293.335,111.108 293.335,99.658 293.335,96.908 ; 292.335,30.908 283.135,30.908 282.535,31.508 282.535,95.308 283.135,95.908 292.335,95.908 ccw(c292.335,96.908) 293.335,96.908 ; 292.335,30.908 292.335,30.908 ; 293.335,96.908 293.335,96.908

## Silkscreen, mask and mechanical layers (free items; w line width, h text height)
Top Overlay:
  text "IO1" at 449.227,36.502 h1
  text "Sayma AMC rev 1.0" at 403,4.03 h3
  text "WUT ISE 2017" at 409.5,0.25 h2.03
Bottom Overlay:
  text "FPGA ETH" at 457.741,93.721 h1
Top Solder:
  region: 294,173.407 442.889,173.407 442.889,175.252 294,175.252
Bottom Solder:
  region: 294,173.407 442.889,173.407 442.889,175.252 294,175.252
Top Assembly:
  region: 338.765,56.368 339.908,56.94 339.908,55.797
  region: 373.765,56.368 372.622,55.797 372.622,56.94
  region: 322.775,114.983 322.204,116.126 323.347,116.126
  region: 322.775,149.983 323.347,148.84 322.204,148.84
  region: 360.315,112.443 359.172,111.872 359.172,113.015
  region: 325.315,112.443 326.458,113.015 326.458,111.872
Drill Drawing:
  lines w0.127: 282.535,297.377 417.155,297.377 ; 282.535,302.457 417.155,302.457 ; 282.535,219.907 282.535,307.537 417.155,307.537 417.155,219.907 282.535,219.907
DXF_Bottomoverlay:
  drawing of 322 lines, arcs and shapes, not listed
DXF_Padholelayer:
  drawing of 57 lines, arcs and shapes, not listed

## Text inside footprints (layer, text, board x,y; h text height)
Cage1A: Drill Drawing "12x diam. 1.05mm +/-0.05" at 450.119,149.295 h1 r180; Drill Drawing "PRESS-FIT TECHNOLOGY" at 450.17,152.964 h1 r180
Cage1A1: Drill Drawing "12x diam. 1.05mm +/-0.05" at 450.249,126.931 h1 r180; Drill Drawing "PRESS-FIT TECHNOLOGY" at 450.3,130.6 h1 r180